# Altium PCB Coffee Machine.PcbDoc (continued)
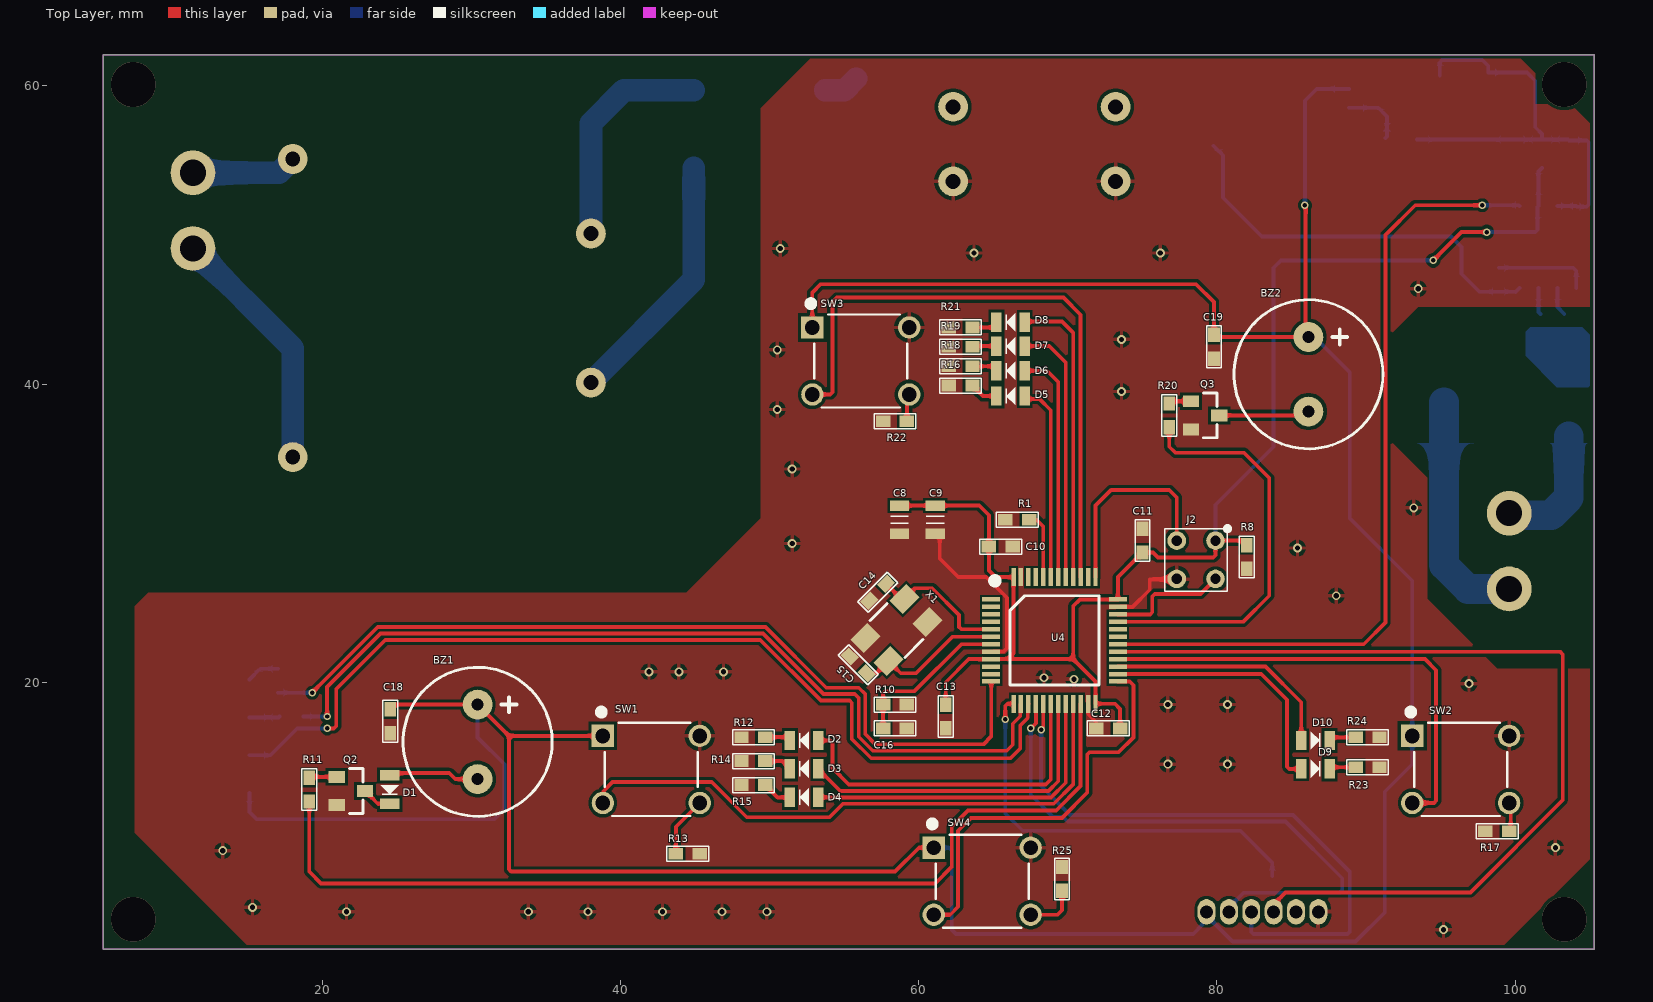
[diagram p0: Top Layer view]
## Part data (continued)
J3: library part 64800611622_conn_6pin, "1.50mm 6PIN Connector", Manufacturer="Wurth Electronics", Supplier Part Number 1=2138726, Designed by=FCE, Manufacturer Part Number=64800611622, Pricing 1="1000=0,29900, 2000=0,28200 (GBP)", RoHS=No, Stock 1=100, Supplier 1=RSComponents
J* J*1: "2~24 Poles, Pluggable, Receptacle, Horizontal, 5.08 Pitch, Terminal Block Connector", Color=Blue, Current=16A, Flammability Rating="UL94 V-0", Manufacturer="CUI Devices", Max Operating Temperature=105°C, Min Operating Temperature=-40°C, Supplier Part Number=102-6406-ND, Voltage=300V, Category="Terminal Blocks", ComponentLink1Description=https://datasheet.octopart.com/TBP01R1-508-02BE-CUI-Devices-datasheet-147843976.pdf?src-supplier=Future+Electronics, ComponentLink1URL=https://datasheet.octopart.com/TBP01R1-508-02BE-CUI-Devices-datasheet-147843976.pdf?src-supplier=Future+Electronics, ComponentLink2Description=https://www.cuidevices.com/product/resource/digikeypdf/tbp01r1-508.pdf?src-supplier=Digi-Key, ComponentLink2URL=https://www.cuidevices.com/product/resource/digikeypdf/tbp01r1-508.pdf?src-supplier=Digi-Key, ComponentLink3Description=https://datasheet.octopart.com/TBP01R1-508-02BE-CUI-Devices-datasheet-154730754.pdf?src-supplier=Electro+Sonic, ComponentLink3URL=https://datasheet.octopart.com/TBP01R1-508-02BE-CUI-Devices-datasheet-154730754.pdf?src-supplier=Electro+Sonic, Contact Material="Copper Alloy", Designed by=FCE, Housing Material=Nylon, Manufacturer Part Number=TBP01R1-508-02BE, Mounting Technology="Through Hole", Number of Levels=1, Number of Positions=2, Number of Positions Per Level=2, Pricing="1=0,48000, 10=0,25200, 25=0,17880, 50=0,15200, 100=0,14660, 250=0,12396, 500=0,11464, 1000=0,10131, 5000=0,07731 (USD)", RoHS=Yes, Series=TBP01R1-508, Stock=106825, Supplier=Digi-Key, Termination=Solder
Q1: "N-Channel Power MOSFET, SUPERFET® II, FAST, 600 V, 7.4 A, 600 mΩ, DPAK", Case/Package=DPAK, Continuous Drain Current (ID)=7.4A, Drain to Source Breakdown Voltage=650V, Drain to Source Resistance=600mR, Drain to Source Voltage (Vdss)=600V, Gate to Source Voltage (Vgs)=20V, Manufacturer="ON Semiconductor / Fairchild", Max Operating Temperature=150°C, Max Power Dissipation=89W, Min Operating Temperature=-55°C, Package Quantity=1, Supplier Part Number=FCD600N60ZCT-ND, Input Capacitance=1.12nF, ComponentLink1Description=https://datasheet.ciiva.com/30479/0900766b8119a3f0-30479945.pdf?src-supplier=Rs, ComponentLink1URL=https://datasheet.ciiva.com/30479/0900766b8119a3f0-30479945.pdf?src-supplier=Rs, ComponentLink2Description=https://datasheet.ciiva.com/6374/fcd600n60z-6374529.pdf?src-supplier=Digi-Key, ComponentLink2URL=https://datasheet.ciiva.com/6374/fcd600n60z-6374529.pdf?src-supplier=Digi-Key, ComponentLink3Description=https://datasheet.ciiva.com/13060/fcd600n60z-13060074.pdf?src-supplier=Mouser, ComponentLink3URL=https://datasheet.ciiva.com/13060/fcd600n60z-13060074.pdf?src-supplier=Mouser, ComponentLink4Description=https://datasheet.ciiva.com/6374/fcd600n60z-6374533.pdf?src-supplier=Digi-Key, ComponentLink4URL=https://datasheet.ciiva.com/6374/fcd600n60z-6374533.pdf?src-supplier=Digi-Key, ComponentLink5Description=https://datasheet.ciiva.com/48714/001263212-da-01-en-mosfet-n-ch-600v-fcd600n60z-to-252-3-fsc-48714892.pdf?src-supplier=Conrad, ComponentLink5URL=https://datasheet.ciiva.com/48714/001263212-da-01-en-mosfet-n-ch-600v-fcd600n60z-to-252-3-fsc-48714892.pdf?src-supplier=Conrad, Designed by=FCE, Element Configuration=Single, Fall Time=8ns, Height=2.39mm, Lead Free="Lead Free", Length=6.73mm, Manufacturer Part Number=FCD600N60Z, Mounting Technology="Surface Mount", Packaging="Tape and Reel", Pins=3, Polarity=N-CHANNEL, Power Dissipation=89W, Pricing="1=1,93000, 10=1,60500, 100=1,27760, 500=1,08106, 1000=0,91726 (USD)", Rds On Max=600mR, Rise Time=7ns, RoHS=Yes, RoHS Compliant=Yes, Series="SuperFET® II", Stock=16582, Supplier=Digi-Key, Turn-Off Delay Time=39ns, Turn-On Delay Time=13ns, Weight=0.26037g, Width=6.22mm
Q2 Q3: "Transistor General Purpose BJT NPN 40 Volt 0.2A Automotive 3-Pin SOT-23", Case/Package=SOT-23, Collector Base Voltage (VCBO)=60V, Collector Emitter Breakdown Voltage=40V, Collector Emitter Saturation Voltage=300mV, Continuous Collector Current=200mA, Emitter Base Voltage (VEBO)=6V, Frequency=300MHz, Manufacturer="Diodes Zetex", Max Operating Temperature=150°C, Max Power Dissipation=300mW, Min Operating Temperature=-55°C, Package Quantity=3000, Power Dissipation=350mW, Supplier Part Number 1=MMBT3904-FDIDKR-ND, Category=BJTs, Collector Emitter Voltage (VCEO)=40V, Collector-emitter Voltage-Max=300mV, ComponentLink1Description=https://datasheet.ciiva.com/11201/ds30036-11201778.pdf?src-supplier=Avnet, ComponentLink1URL=https://datasheet.ciiva.com/11201/ds30036-11201778.pdf?src-supplier=Avnet, ComponentLink2Description=https://datasheet.ciiva.com/15138/getdatasheetpartid-53265-15138780.pdf?src-supplier=Verical, ComponentLink2URL=https://datasheet.ciiva.com/15138/getdatasheetpartid-53265-15138780.pdf?src-supplier=Verical, ComponentLink3Description=https://datasheet.ciiva.com/6361/ds30036-6361254.pdf?src-supplier=Digi-Key, ComponentLink3URL=https://datasheet.ciiva.com/6361/ds30036-6361254.pdf?src-supplier=Digi-Key, ComponentLink4Description=https://datasheet.ciiva.com/22711/1915516-22711750.pdf?src-supplier=Element14, ComponentLink4URL=https://datasheet.ciiva.com/22711/1915516-22711750.pdf?src-supplier=Element14, ComponentLink5Description=https://datasheet.ciiva.com/11198/ds30036-11198999.pdf?src-supplier=Avnet, ComponentLink5URL=https://datasheet.ciiva.com/11198/ds30036-11198999.pdf?src-supplier=Avnet, ComponentLink6Description=https://datasheet.ciiva.com/6361/ds30036-6361256.pdf?src-supplier=Digi-Key, ComponentLink6URL=https://datasheet.ciiva.com/6361/ds30036-6361256.pdf?src-supplier=Digi-Key, Contact Plating=Tin,Matte, Designed by=FCE, Element Configuration=Single, Gain Bandwidth Product=300MHz, Height=1mm, hFE Min=100, Lead Free="Lead Free", Length=3.05mm, Manufacturer Part Number=MMBT3904-7-F, Max Breakdown Voltage=40V, Max Collector Current=200mA, Max Frequency=300MHz, Mount="Surface Mount", Number of Elements=1, Number of Pins=3, Packaging="Tape and Reel", Polarity=NPN, Pricing 1="1=0,12000, 10=0,08600, 25=0,08280, 100=0,04660, 500=0,03664, 1000=0,02544 (USD)", Radiation Hardening=No, REACH SVHC="No SVHC", RoHS=Yes, RoHS Compliant=Yes, Series=-, Stock 1=2393281, Supplier 1=Digi-Key, Transition Frequency=300MHz, Voltage Rating (DC)=40V, Weight=0.000282oz, Width=1.4mm
R1 R10 R11 R20: library part "RES 100 OHM 0603", "RES 100 %5 OHM 0603 SMD", Case Code (Metric)=1608, Case Code (Imperial)=0603, Manufacturer=Yageo, Max Operating Temperature=155°C, Max Power Dissipation=100mW, Min Operating Temperature=-55°C, Resistance=100R, Resistance Tolerance=5%, Resistor Type="Thick Film", Supplier Part Number 1=311-100GRCT-ND, Temperature Coefficient=100ppm/°C, Voltage Rating=50V, Case/Package=0603, Category="Chip SMD Resistors", ComponentLink1Description=https://datasheet.ciiva.com/15189/getdatasheetpartid-325207-15189846.pdf?src-supplier=Verical, ComponentLink1URL=https://datasheet.ciiva.com/15189/getdatasheetpartid-325207-15189846.pdf?src-supplier=Verical, ComponentLink2Description=https://datasheet.ciiva.com/8883/pyu-rc0603-51-rohs-l-4-8883047.pdf?src-supplier=Avnet, ComponentLink2URL=https://datasheet.ciiva.com/8883/pyu-rc0603-51-rohs-l-4-8883047.pdf?src-supplier=Avnet, ComponentLink3Description=https://datasheet.ciiva.com/7746/443971-7746425.pdf?src-supplier=Element14, ComponentLink3URL=https://datasheet.ciiva.com/7746/443971-7746425.pdf?src-supplier=Element14, ComponentLink4Description=https://datasheet.ciiva.com/7746/443971-7746426.pdf?src-supplier=Element14, ComponentLink4URL=https://datasheet.ciiva.com/7746/443971-7746426.pdf?src-supplier=Element14, Construction=Rectangular, Contact Plating=Tin,Matte, Depth=0.8mm, Designed by=FCE, Features="Moisture Resistant", Lead Free="Lead Free", Length=1.6mm, Manufacturer Part Number=RC0603JR-07100RL, Military Standard=Not, Number of Pins=2, Number of Terminations=2, Packaging="Tape and Reel", Power Rating=100mW, Pricing 1="1=0,10000, 10=0,01900, 100=0,00770, 1000=0,00344, 2500=0,00298 (USD)", Radiation Hardening=No, REACH SVHC=Unknown, RoHS=Yes, RoHS Compliant=Yes, Series=RC, Size Code=0603, Stock 1=4334796, Supplier 1=Digi-Key, Termination=SMD/SMT, Tolerance=5%, Voltage Rating (DC)=50V, Width=0.8mm
R2: library part "RES 10 OHM 0603", "SMD Chip Resistor, 10 Ohm, ± 1%, 100 mW, 0603 [1608 Metric], Thick Film, General Purpose", Case Code (Metric)=1608, Case Code (Imperial)=0603, Manufacturer=Yageo, Max Operating Temperature=155°C, Max Power Dissipation=100mW, Min Operating Temperature=-55°C, Resistance Tolerance=1%, Resistor Type="Thick Film", Supplier Part Number=311-10.0HRCT-ND, Temperature Coefficient=200ppm/°C, Voltage Rating=50V, Case/Package=0603, Category="Chip SMD Resistors", ComponentLink1Description=https://datasheet.ciiva.com/11808/0900766b80f96399-11808140.pdf?src-supplier=Rs, ComponentLink1URL=https://datasheet.ciiva.com/11808/0900766b80f96399-11808140.pdf?src-supplier=Rs, ComponentLink2Description=https://datasheet.ciiva.com/7746/443971-7746245.pdf?src-supplier=Element14, ComponentLink2URL=https://datasheet.ciiva.com/7746/443971-7746245.pdf?src-supplier=Element14, ComponentLink3Description=https://datasheet.ciiva.com/8891/pyu-rc0603-51-rohs-l-4-8891285.pdf?src-supplier=Avnet, ComponentLink3URL=https://datasheet.ciiva.com/8891/pyu-rc0603-51-rohs-l-4-8891285.pdf?src-supplier=Avnet, Construction=Rectangular, Contact Plating=Tin,Matte, Depth=0.8mm, Designed by=FCE, Features="Moisture Resistant", Height=0.45mm, Lead Free="Lead Free", Length=1.6mm, Manufacturer Part Number=RC0603FR-0710RL, Military Standard=Not, Number of Terminations=2, Packaging="Tape and Reel", Pins=2, Power Rating=100mW, Pricing="1=0,10000, 10=0,02900, 50=0,01880, 100=0,01580, 500=0,01094, 1000=0,00947 (USD)", Reach SVHC Compliant=No, RoHS=Yes, RoHS Compliant=Yes, Series=RC, Stock=1221718, Supplier=Digi-Key, Technology="THICK FILM", Termination=SMD/SMT, Tolerance=1%, Voltage Rating (AC)=50V, Voltage Rating (DC)=50V, Width=0.8mm
R3: library part "RES 3.3 OHM 0603", "Res Thick Film 0603 3.3 Ohm 5% 1/10W +/-200ppm/ßC Molded SMD Paper T/R", Case Code (Metric)=1608, Case Code (Imperial)=0603, Manufacturer=Yageo, Max Operating Temperature=155°C, Max Power Dissipation=100mW, Min Operating Temperature=-55°C, Resistance Tolerance=5%, Resistor Type="Thick Film", Supplier Part Number=311-3.3GRCT-ND, Temperature Coefficient=200ppm/°C, Voltage Rating=50V, Case/Package=0603, Category="Chip SMD Resistors", ComponentLink1Description=http://www.mouser.com/ds/2/447/RC0603-272842.pdf?src-supplier=Mouser, ComponentLink1URL=http://www.mouser.com/ds/2/447/RC0603-272842.pdf?src-supplier=Mouser, ComponentLink2Description=https://www.verical.com/server-webapp/html/getDatasheet?partID=687544&src-supplier=Verical, ComponentLink2URL=https://www.verical.com/server-webapp/html/getDatasheet?partID=687544&src-supplier=Verical, ComponentLink3Description=http://www.farnell.com/datasheets/1868787.pdf?src-supplier=Farnell, ComponentLink3URL=http://www.farnell.com/datasheets/1868787.pdf?src-supplier=Farnell, ComponentLink4Description=http://www.yageo.com/documents/recent/PYu-RC_Group_51_RoHS_L_10.pdf?src-supplier=Digi-Key, ComponentLink4URL=http://www.yageo.com/documents/recent/PYu-RC_Group_51_RoHS_L_10.pdf?src-supplier=Digi-Key, ComponentLink5Description=http://www.yageo.com/documents/recent/PYu-RC_Group_51_RoHS_L_9.pdf?src-supplier=Digi-Key, ComponentLink5URL=http://www.yageo.com/documents/recent/PYu-RC_Group_51_RoHS_L_9.pdf?src-supplier=Digi-Key, ComponentLink6Description=https://datasheet.octopart.com/RC0603JR-073R3L-Yageo-datasheet-34211833.pdf?src-supplier=Element14, ComponentLink6URL=https://datasheet.octopart.com/RC0603JR-073R3L-Yageo-datasheet-34211833.pdf?src-supplier=Element14, ComponentLink7Description=https://datasheet.octopart.com/RC0603JR-073R3L-Yageo-datasheet-164759695.pdf?src-supplier=Future+Electronics, ComponentLink7URL=https://datasheet.octopart.com/RC0603JR-073R3L-Yageo-datasheet-164759695.pdf?src-supplier=Future+Electronics, ComponentLink8Description=http://www.yageo.com/documents/recent/PYu-RC0603_51_RoHS_L_7.pdf?src-supplier=Future+Electronics, ComponentLink8URL=http://www.yageo.com/documents/recent/PYu-RC0603_51_RoHS_L_7.pdf?src-supplier=Future+Electronics, Designed by=FCE, Features="Moisture Resistant", Lead Free="Lead Free", Manufacturer Part Number=RC0603JR-073R3L, Number of Terminations=2, Packaging="Tape and Reel", Pins=2, Power Rating=100mW, Pricing="1=0,10000, 10=0,02600, 50=0,01620, 100=0,01370, 500=0,00942, 1000=0,00813 (USD)", Reach SVHC Compliant=No, RoHS=Yes, RoHS Compliant=Yes, Series=RC, Stock=191546, Supplier=Digi-Key, Termination=SMD/SMT, Tolerance=5%, Voltage Rating (DC)=50V
R4: library part "RES 500K OHM 0603", "Res Thick Film 1206 500K Ohm 1% 0.3W ±100ppm/C Pad SMD Automotive T/R", Case Code (Metric)=3216, Case Code (Imperial)=1206, Manufacturer="Vishay BCcomponents", Max Operating Temperature=155°C, Max Power Dissipation=300mW, Min Operating Temperature=-55°C, Supplier Part Number=3579-CRMA1206AF500KFKEFCT-ND, Temperature Coefficient=100ppm/°C, Tolerance=1%, Voltage Rating=1kV, Case/Package=1206, Category="Chip SMD Resistors", ComponentLink1Description=https://www.vishay.com/docs/68043/crma.pdf?src-supplier=Digi-Key, ComponentLink1URL=https://www.vishay.com/docs/68043/crma.pdf?src-supplier=Digi-Key, Designed by=FCE, Features="Automotive AEC-Q200", Height=740um, Manufacturer Part Number=CRMA1206AF500KFKEF, Number of Terminations=2, Packaging="Cut Tape", Power Rating=300mW, Pricing="1=0,66000, 10=0,37900, 50=0,27220, 100=0,23880, 500=0,18306, 1000=0,16540 (USD)", RoHS=No, Series=CRMA, Stock=15305, Supplier=Digi-Key
R5: library part "RES 100K OHM 0603", "SMD Chip Resistor, 100 kOhm, ± 5%, 100 mW, 0603 [1608 Metric], Thick Film, General Purpose", Case Code (Metric)=1608, Case Code (Imperial)=0603, Manufacturer=Yageo, Max Operating Temperature=155°C, Max Power Dissipation=100mW, Min Operating Temperature=-55°C, Resistance Tolerance=5%, Resistor Type="Thick Film", Supplier Part Number=311-100KGRCT-ND, Temperature Coefficient=100ppm/°C, Voltage Rating=50V, Case/Package=0603, Category="Chip SMD Resistors", ComponentLink1Description=https://datasheet.ciiva.com/7983/443971-7983686.pdf?src-supplier=Element14, ComponentLink1URL=https://datasheet.ciiva.com/7983/443971-7983686.pdf?src-supplier=Element14, ComponentLink2Description=https://datasheet.ciiva.com/7746/443971-7746424.pdf?src-supplier=Element14, ComponentLink2URL=https://datasheet.ciiva.com/7746/443971-7746424.pdf?src-supplier=Element14, ComponentLink3Description=https://datasheet.ciiva.com/8887/pyu-rc0603-51-rohs-l-4-8887903.pdf?src-supplier=Avnet, ComponentLink3URL=https://datasheet.ciiva.com/8887/pyu-rc0603-51-rohs-l-4-8887903.pdf?src-supplier=Avnet, ComponentLink4Description=https://datasheet.ciiva.com/7746/443971-7746423.pdf?src-supplier=Element14, ComponentLink4URL=https://datasheet.ciiva.com/7746/443971-7746423.pdf?src-supplier=Element14, Contact Plating=Tin,Matte, Designed by=FCE, Features="Moisture Resistant", Lead Free="Lead Free", Manufacturer Part Number=RC0603JR-07100KL, Number of Terminations=2, Packaging="Tape and Reel", Pins=2, Power Rating=100mW, Pricing="1=0,10000, 10=0,01500, 50=0,00920, 100=0,00760, 500=0,00512, 1000=0,00437 (USD)", Reach SVHC Compliant=No, RoHS=Yes, RoHS Compliant=Yes, Series=RC, Stock=3037187, Supplier=Digi-Key, Termination=SMD/SMT, Tolerance=5%, Voltage Rating (AC)=50V, Voltage Rating (DC)=50V, Width=0.8mm
R6 R8 R13 R17 R22 R25: library part "RES 10K OHM 0603", "RES 10K %1 OHM 0603 SMD", Case Code (Metric)=1608, Case Code (Imperial)=0603, Manufacturer=Yageo, Max Operating Temperature=155°C, Max Power Dissipation=100mW, Min Operating Temperature=-55°C, Resistance=10kR, Resistance Tolerance=1%, Resistor Type="Thick Film", Supplier Part Number 1=311-10.0KHRCT-ND, Temperature Coefficient=100ppm/°C, Voltage Rating=75V, Voltage Rating (DC)=50V, Case/Package=0603, Category="Chip SMD Resistors", ComponentLink1Description=https://datasheet.ciiva.com/7660/38590-7660789.pdf?src-supplier=Element14, ComponentLink1URL=https://datasheet.ciiva.com/7660/38590-7660789.pdf?src-supplier=Element14, ComponentLink2Description=https://datasheet.ciiva.com/15189/getdatasheetpartid-409289-15189591.pdf?src-supplier=Verical, ComponentLink2URL=https://datasheet.ciiva.com/15189/getdatasheetpartid-409289-15189591.pdf?src-supplier=Verical, ComponentLink3Description=https://datasheet.ciiva.com/46440/1868787-46440891.pdf?src-supplier=Element14, ComponentLink3URL=https://datasheet.ciiva.com/46440/1868787-46440891.pdf?src-supplier=Element14, ComponentLink4Description=https://datasheet.ciiva.com/7983/443971-7983596.pdf?src-supplier=Element14, ComponentLink4URL=https://datasheet.ciiva.com/7983/443971-7983596.pdf?src-supplier=Element14, ComponentLink5Description=https://datasheet.ciiva.com/7746/1738695-7746239.pdf?src-supplier=Element14, ComponentLink5URL=https://datasheet.ciiva.com/7746/1738695-7746239.pdf?src-supplier=Element14, ComponentLink6Description=https://datasheet.ciiva.com/22747/443971-22747519.pdf?src-supplier=Element14, ComponentLink6URL=https://datasheet.ciiva.com/22747/443971-22747519.pdf?src-supplier=Element14, Construction=Rectangular, Depth=0.8mm, Designed by=FCE, Features="Moisture Resistant", Height=0.45mm, Lead Free="Lead Free", Lead Pitch=0.3mm, Length=1.6mm, Manufacturer Part Number=RC0603FR-0710KL, Military Standard=Not, Number of Pins=2, Number of Terminations=2, Packaging="Tape and Reel", Power Rating=100mW, Pricing 1="1=0,10000, 10=0,02300, 100=0,00930, 1000=0,00417, 2500=0,00362 (USD)", REACH SVHC=Unknown, RoHS=Yes, RoHS Compliant=Yes, Series=RC, Size Code=0603, Stock 1=24140601, Supplier 1=Digi-Key, Termination=SMD/SMT, Tolerance=1%, Weight=7.1E-05oz, Width=0.8mm
R7 R9: library part "RES 0 OHM 0603", "RES 0 %1 OHM 0603 SMD", Case Code (Metric)=1608, Case Code (Imperial)=0603, Manufacturer=Yageo, Max Operating Temperature=155°C, Max Power Dissipation=100mW, Min Operating Temperature=-55°C, Package Quantity=5000, Resistance=0R, Resistance Tolerance=5%, Resistor Type="Thick Film", Supplier Part Number 1=311-0.0GRCT-ND, Temperature Coefficient=200ppm/°C, Tolerance=1%, Voltage Rating=50V, Case/Package=0603, Category="Chip SMD Resistors", ComponentLink1Description=https://datasheet.ciiva.com/11808/pyu-r-int-6-11808700.pdf?src-supplier=RSComponents, ComponentLink1URL=https://datasheet.ciiva.com/11808/pyu-r-int-6-11808700.pdf?src-supplier=RSComponents, ComponentLink2Description=https://datasheet.ciiva.com/7746/1738695-7746421.pdf?src-supplier=Element14, ComponentLink2URL=https://datasheet.ciiva.com/7746/1738695-7746421.pdf?src-supplier=Element14, ComponentLink3Description=https://datasheet.ciiva.com/8883/pyu-rc0603-51-rohs-l-4-8883045.pdf?src-supplier=Avnet, ComponentLink3URL=https://datasheet.ciiva.com/8883/pyu-rc0603-51-rohs-l-4-8883045.pdf?src-supplier=Avnet, ComponentLink4Description=https://datasheet.ciiva.com/15189/getdatasheetpartid-329462-15189845.pdf?src-supplier=Verical, ComponentLink4URL=https://datasheet.ciiva.com/15189/getdatasheetpartid-329462-15189845.pdf?src-supplier=Verical, ComponentLink5Description=https://datasheet.ciiva.com/7746/1738695-7746422.pdf?src-supplier=Element14, ComponentLink5URL=https://datasheet.ciiva.com/7746/1738695-7746422.pdf?src-supplier=Element14, ComponentLink6Description=https://datasheet.ciiva.com/12555/rc0603-272842-12555254.pdf?src-supplier=Mouser, ComponentLink6URL=https://datasheet.ciiva.com/12555/rc0603-272842-12555254.pdf?src-supplier=Mouser, ComponentLink7Description=https://datasheet.ciiva.com/22747/443971-22747530.pdf?src-supplier=Element14, ComponentLink7URL=https://datasheet.ciiva.com/22747/443971-22747530.pdf?src-supplier=Element14, Construction=Rectangular, Contact Plating=Tin,Matte, Depth=0.8mm, Designed by=FCE, Features="Moisture Resistant", Height=0.45mm, Lead Free="Lead Free", Length=1.6mm, Manufacturer Part Number=RC0603JR-070RL, Military Standard=Not, Number of Pins=2, Number of Terminations=2, Packaging="Tape and Reel", Power Rating=100mW, Pricing 1="1=0,10000, 10=0,01700, 25=0,01240, 50=0,00940, 100=0,00700, 250=0,00532, 500=0,00424, 1000=0,00313 (USD)", Radiation Hardening=No, REACH SVHC="No SVHC", RoHS=Yes, RoHS Compliant=Yes, Series=RC, Size Code=0603, Stock 1=4657486, Supplier 1=Digi-Key, Technology="THICK FILM", Termination=SMD/SMT, Voltage Rating (DC)=50V, Width=0.8mm
R12 R14 R15 R16 R18 R19 R21 R23 R24: library part "RES 330 OHM 0603", "SMD Chip Resistor, 330 Ohm, ± 5%, 100 mW, 0603 [1608 Metric], Thick Film, General Purpose", Case Code (Metric)=1608, Case Code (Imperial)=0603, Manufacturer=Yageo, Max Operating Temperature=155°C, Max Power Dissipation=100mW, Min Operating Temperature=-55°C, Package Quantity=5000, Resistance Tolerance=5%, Resistor Type="Thick Film", Supplier Part Number=311-330GRCT-ND, Temperature Coefficient=100ppm/°C, Voltage Rating=50V, Case/Package=0603, Category="Chip SMD Resistors", ComponentLink1Description=https://datasheet.ciiva.com/46395/443971-46395145.pdf?src-supplier=Element14, ComponentLink1URL=https://datasheet.ciiva.com/46395/443971-46395145.pdf?src-supplier=Element14, ComponentLink2Description=https://datasheet.ciiva.com/12558/rc0603-272842-12558685.pdf?src-supplier=Mouser, ComponentLink2URL=https://datasheet.ciiva.com/12558/rc0603-272842-12558685.pdf?src-supplier=Mouser, ComponentLink3Description=https://datasheet.ciiva.com/7746/1868787-7746487.pdf?src-supplier=Element14, ComponentLink3URL=https://datasheet.ciiva.com/7746/1868787-7746487.pdf?src-supplier=Element14, ComponentLink4Description=https://datasheet.ciiva.com/7746/443971-7746488.pdf?src-supplier=Element14, ComponentLink4URL=https://datasheet.ciiva.com/7746/443971-7746488.pdf?src-supplier=Element14, ComponentLink5Description=https://datasheet.ciiva.com/15189/getdatasheetpartid-342831-15189868.pdf?src-supplier=Verical, ComponentLink5URL=https://datasheet.ciiva.com/15189/getdatasheetpartid-342831-15189868.pdf?src-supplier=Verical, Construction=Rectangular, Depth=0.8mm, Designed by=FCE, Features="Moisture Resistant", Height=0.45mm, Lead Free="Lead Free", Length=1.6mm, Manufacturer Part Number=RC0603JR-07330RL, Military Standard=Not, Number of Terminations=2, Packaging="Tape and Reel", Pins=2, Power Rating=100mW, Pricing="1=0,10000, 10=0,01500, 50=0,00940, 100=0,00770, 500=0,00516, 1000=0,00441 (USD)", Reach SVHC Compliant=No, RoHS=Yes, RoHS Compliant=Yes, Series=RC, Stock=3473788, Supplier=Digi-Key, Termination=SMD/SMT, Tolerance=5%, Voltage Rating (DC)=50V, Width=0.8mm
SW1 SW2 SW3 SW4: "Switch Tactile OFF (ON) SPST Round Button PC Pins 0.05A 24VDC 100000Cycle 1.56N Thru-Hole", Manufacturer="TE Connectivity", Max Operating Temperature=85°C, Min Operating Temperature=-35°C, Operating Force=160gf, Supplier Part Number=450-1653-ND, Actuator Material=PBT,Polybutylene, Actuator Type=Standard, Category="Pushbutton Switches", ComponentLink1Description=https://www.te.com/commerce/DocumentDelivery/DDEController?Action=srchrtrv&amp;DocNm=1825910&amp;DocType=Customer+Drawing&amp;DocLang=English&src-supplier=Digi-Key, ComponentLink1URL=https://www.te.com/commerce/DocumentDelivery/DDEController?Action=srchrtrv&amp;DocNm=1825910&amp;DocType=Customer+Drawing&amp;DocLang=English&src-supplier=Digi-Key, ComponentLink2Description=https://datasheet.octopart.com/FSM8JH-Tyco-Electronics-datasheet-13549077.pdf?src-supplier=Farnell, ComponentLink2URL=https://datasheet.octopart.com/FSM8JH-Tyco-Electronics-datasheet-13549077.pdf?src-supplier=Farnell, ComponentLink3Description=https://datasheet.octopart.com/1-1825910-4-TE-Connectivity-datasheet-33021037.pdf?src-supplier=Future+Electronics, ComponentLink3URL=https://datasheet.octopart.com/1-1825910-4-TE-Connectivity-datasheet-33021037.pdf?src-supplier=Future+Electronics, ComponentLink4Description=https://datasheet.octopart.com/FSM8JH-TE-Connectivity---Alcoswitch-datasheet-159572710.pdf?src-supplier=Jameco, ComponentLink4URL=https://datasheet.octopart.com/FSM8JH-TE-Connectivity---Alcoswitch-datasheet-159572710.pdf?src-supplier=Jameco, ComponentLink5Description=https://datasheet.octopart.com/FSM8JH-Alcoswitch-datasheet-44414615.pdf?src-supplier=Master+Electronics, ComponentLink5URL=https://datasheet.octopart.com/FSM8JH-Alcoswitch-datasheet-44414615.pdf?src-supplier=Master+Electronics, ComponentLink6Description=https://datasheet.octopart.com/1-1825910-4-TE-Connectivity-datasheet-140613482.pdf?src-supplier=TME, ComponentLink6URL=https://datasheet.octopart.com/1-1825910-4-TE-Connectivity-datasheet-140613482.pdf?src-supplier=TME, ComponentLink7Description=https://datasheet.octopart.com/FSM8JH-TE-Connectivity---Alcoswitch-datasheet-41181131.pdf?src-supplier=Electro+Sonic, ComponentLink7URL=https://datasheet.octopart.com/FSM8JH-TE-Connectivity---Alcoswitch-datasheet-41181131.pdf?src-supplier=Electro+Sonic, Copyright="Copyright (C) 2023 Ultra Librarian. All rights reserved.", Designed by=FCE, Manufacturer Part Number=1-1825910-4, Manufacturer_Part_Number=1-1825910-4, Mechanical Life=100000Cycles, Mfr_Name="TE Connectivity", Mounting Technology="Through Hole", Packaging=Bulk, Pricing="1=0,16000, 10=0,15100, 25=0,14280, 100=0,12990, 250=0,12208, 500=0,11170, 1000=0,09352, 2500=0,09092, 5000=0,08572 (USD)", RefDes=RefDes, RoHS=Yes, RoHS Compliant=Yes, Series=FSMJ, Stock=33482, Supplier=Digi-Key, Switch Function=Off-Mom, Switch Travel=0.25mm, Termination="PC Pin", Throw Configuration=SPST, Type=DEV, Illumination Type=Non-Illuminated
T1: "230-12 Transformer 1VA", Manufacturer="Zettler Magnetics", Operating Frequency=50-60Hz, Primary Voltage=230V, Rated Power=1VA, Secondary Voltage=12V, Supplier Part Number 1=2469-BV302S12010-ZU-ND, Designed by=FCE, Manufacturer Part Number=BV302S12010-ZU, RoHS=No, Supplier 1=Digi-Key
U1: "IGBT & MOSFET Gate Driver 5.5A 1-OUT Hi Side Non-Inv/Inv 8-Pin DSO T/R", Manufacturer=Infineon, Supplier Part Number=726-D3120MC12HXUMA1, Designed by=FCE, Manufacturer Part Number=1ED3120MC12HXUMA1, Pricing="1=3,34000, 10=2,65000, 50=2,65000, 100=2,46000, 1000=2,10000, 10000=1,37000 (USD)", RoHS=No, Stock=9771, Supplier=Mouser
U2: "Adjustable- and fixed-output, 1-A, 16-V, positive-voltage low-dropout (LDO) linear regulator 8-HVSSOP -40 to 125", Manufacturer="Texas Instruments", Supplier Part Number=595-TLV76701DGNR, Category="Integrated Circuits (ICs)", Designed by=FCE, Manufacturer Part Number=TLV76701DGNR, Pricing="1=0,88000, 10=0,74400, 50=0,74400, 100=0,57200, 1000=0,40700, 10000=0,33900 (USD)", RoHS=No, RoHS Compliant=Yes, Stock=3628, Supplier=Mouser
U3: "LDO Regulator Pos 3.3V 1A 4-Pin(3+Tab) SOT-223 T/R", Case/Package=SOT-223, Dropout Voltage=500mV, Manufacturer=Diodes, Max Operating Temperature=85°C, Max Output Current=1A, Max Power Dissipation=1.1W, Max Input Voltage=6V, Min Current Limit=1.1A, Min Operating Temperature=-40°C, Min Input Voltage=2.2V, Output Voltage=3.3V, Package Quantity=1, Power Dissipation=1.1kW, Power Supply Rejection Ratio (PSRR)=65dB, Quiescent Current=70uA, Reference Voltage=800mV, Supplier Part Number 1=AP7361-33E-13DICT-ND, Accuracy=1%, Category="Voltage Regulators - Linear", ComponentLink1Description=https://datasheet.ciiva.com/26926/getdatasheetpartid-670786-26926141.pdf?src-supplier=Verical, ComponentLink1URL=https://datasheet.ciiva.com/26926/getdatasheetpartid-670786-26926141.pdf?src-supplier=Verical, ComponentLink2Description=https://datasheet.ciiva.com/25651/ap7361-25651049.pdf?src-supplier=Digi-Key, ComponentLink2URL=https://datasheet.ciiva.com/25651/ap7361-25651049.pdf?src-supplier=Digi-Key, ComponentLink3Description=https://datasheet.ciiva.com/29568/ap7361-29568378.pdf?src-supplier=Digi-Key, ComponentLink3URL=https://datasheet.ciiva.com/29568/ap7361-29568378.pdf?src-supplier=Digi-Key, ComponentLink4Description=https://datasheet.ciiva.com/29568/ap7361-29568379.pdf?src-supplier=Digi-Key, ComponentLink4URL=https://datasheet.ciiva.com/29568/ap7361-29568379.pdf?src-supplier=Digi-Key, Contact Plating=Tin,Matte, Designed by=FCE, Lead Free="Lead Free", Manufacturer Part Number=AP7361-33E-13, Mount="Surface Mount", Number of Outputs=1, Number of Pins=4, Number of Regulators=1, Output Current=1A, Output Type=Fixed, Packaging="Tape and Reel", Polarity=Positive, Pricing 1="1=0,51000, 10=0,41400, 25=0,37840, 100=0,25510, 250=0,21116, 500=0,19356, 1000=0,14517 (USD)", Radiation Hardening=No, REACH SVHC="No SVHC", RoHS=Yes, RoHS Compliant=Yes, Series=-, Stock 1=45122, Supplier 1=Digi-Key, Weight=0.000282oz
U4: "MCU 32-bit STM32F ARM Cortex M3 RISC 32KB Flash 2.5V/3.3V 48-Pin LQFP Tray", Case/Package=LQFP, Frequency=72MHz, Manufacturer=STMicroelectronics, Max Operating Temperature=85°C, Max Power Dissipation=363mW, Max Supply Voltage=3.6V, Min Operating Temperature=-40°C, Min Supply Voltage=2V, Package Quantity=1500, Supplier Part Number 1=497-11515-ND, Address Bus Width=32b, Category=Microcontrollers, ComponentLink1Description=https://datasheet.ciiva.com/15122/getdatasheetpartid-69879-15122075.pdf?src-supplier=Verical, ComponentLink1URL=https://datasheet.ciiva.com/15122/getdatasheetpartid-69879-15122075.pdf?src-supplier=Verical, ComponentLink2Description=https://datasheet.ciiva.com/14100/pustm-arm-microcont-stm32f103-en-14100507.pdf?src-supplier=Distrelec, ComponentLink2URL=https://datasheet.ciiva.com/14100/pustm-arm-microcont-stm32f103-en-14100507.pdf?src-supplier=Distrelec, Core Architecture=ARM, Data Bus Width=32b, Designed by=FCE, Height=1.4mm, Lead Free="Lead Free", Length=7mm, Manufacturer Part Number=STM32F103C6T6A, Max Frequency=72MHz, Memory Size=32KB, Memory Type=FLASH, Number of ADC Channels=10, Number of Pins=48, Number of Programmable I/O=37, Number of SPI Channels=1, Number of Timers/Counters=3, Number of I2C Channels=1, Number of I/Os=37, Oscillator Type=Internal, Packaging=Tray, Peripherals="POR,PWM,WDT,DMA,Temp Sensor,I2C", Pricing 1="1=5,07000, 10=4,55000, 25=4,30120, 80=3,72763, 250=3,53648, 500=3,18600 (USD)", Pricing 2="250=1,99138, 260=1,95951, 510=1,91172, 1300=1,87986, 2500=1,84800, 13000=1,81613, 25000=1,78427 (USD)", Radiation Hardening=No, RAM Size=10KB, REACH SVHC="No SVHC", RoHS=Yes, RoHS Compliant=Yes, Series=STM32F103C6, SleepMode=OK, Stock 1=30, Stock 2=2360, Supplier 1=Digi-Key, Supplier 2=Avnet, Supplier Part Number 2=STM32F103C6T6A, Watchdog Timer=Yes, Weight=0.006409oz, Width=7mm, Interface=I2C,SPI,USART
X1: library part "CRYSTAL 16MHz", "CRYSTAL 16.0000MHZ 20PF SMD", Case/Package=SMD/SMT, ESR (Equivalent Series Resistance)=50R, Frequency=16MHz, Frequency Stability=50ppm, Frequency Tolerance=30ppm, Load Capacitance=20pF, Manufacturer="ECS International", Max Operating Temperature=70°C, Min Operating Temperature=-20°C, Package Quantity=1, Supplier Part Number 1=XC1120CT-ND, Category=Crystals, ComponentLink1Description=https://datasheet.ciiva.com/853/ecx-53b-853408.pdf?src-supplier=Digi-Key, ComponentLink1URL=https://datasheet.ciiva.com/853/ecx-53b-853408.pdf?src-supplier=Digi-Key, ComponentLink2Description=https://datasheet.ciiva.com/853/ecx-53b-853406.pdf?src-supplier=Digi-Key, ComponentLink2URL=https://datasheet.ciiva.com/853/ecx-53b-853406.pdf?src-supplier=Digi-Key, ComponentLink3Description=https://datasheet.ciiva.com/853/ecx-53b-853407.pdf?src-supplier=Digi-Key, ComponentLink3URL=https://datasheet.ciiva.com/853/ecx-53b-853407.pdf?src-supplier=Digi-Key, Designed by=FCE, Height=0.033inch, Lead Free="Lead Free", Length=0.197inch, Manufacturer Part Number=ECS-160-20-30B-TR, Mount="Surface Mount", Packaging="Tape and Reel", Pricing 1="1=1,33000, 10=1,26800, 50=1,23900, 100=1,06200, 500=1,03250 (USD)", RoHS=Yes, RoHS Compliant=Yes, Series=ECX-53B, Stock 1=15303, Supplier 1=Digi-Key, Termination=SMD/SMT, Tolerance=50ppm, Width=0.126inch

## Via types
v1: diameter 0.6, hole 0.35, Top Layer to Bottom Layer, tented both sides, 33 vias
v2: diameter 0.5, hole 0.3, Top Layer to Bottom Layer, tented both sides, 10 vias
v3: diameter 3, hole 3, Top Layer to Bottom Layer, 4 vias

## Nets (pads, with @x,y where several pads share a name; then routed paths per layer and width w, separated by ;. In a path a pad name is that pad's centre, name@x,y a point inside that pad or via, vN(x,y) a via of type N, cw(c..) or ccw(c..) an arc to the next point about the centre after c; other vN are vias at no path point)
3V3DC: C6.2 C7.2 C8.2 C9.2 C10.2 C11.2 C12.2 C13.2 J2.1 R8.2 U1.2 U3.3 U4.9 U4.24 U4.36 U4.48 | length 96.7
  Top Layer w0.254: C8.2 C9.2 64.05,31.85 64.7,31.2 C10.2 64.7,27.5 65.15,27.05 U4.48 66.35,21.95 65.95,21.55 ; C13.2 61.8,20 63.35,21.55 U4.9 65.95,21.55 ; C12.2 73.5,18.2 73.15,18.55 U4.24 71.85,20.05 70.35,21.55 ; R8.2 81.7,29.5 J2.1 79.9,28.517 79.751,28.368 76.032,28.368 75.7,28.7 C11.2 73.35,27.05 U4.36 70.8,25.55 70.35,25.1 70.35,21.55 ; v2(94.5,48.3) 96.4,50.2 v2(98.1,50.2) ; 65.95,21.55 70.35,21.55
  Bottom Layer w0.254: J2.1 79.9,31.9 83.8,35.8 83.8,47.8 84.3,48.3 v2(94.5,48.3) ; v2(98.1,50.2) 101.351,50.2 101.5,50.349 101.5,51.885 U1.2 101.565,54.265 C6.2
5VDC: BZ1.1 BZ2.1 C4.2 C5.2 C18.2 C19.2 J1.1 J3.1 R4.1 SW1.1 SW2.1 SW3.1 SW4.1 U2.1 U3.1 | length 218
  Top Layer w0.254: C18.2 24.855,18.5 BZ1.1 32.5,16.4 ; SW1.1 32.5,16.4 ; SW3.1 52.854,46.154 53.4,46.7 78.6,46.7 79.8,45.5 C19.2 79.942,43.158 BZ2.1 85.947,43.346 85.947,51.953 v2(85.9,52) ; SW4.1 60,8.9 58.4,7.3 32.649,7.3 32.5,7.449 32.5,16.4
  Bottom Layer w0.254: J1.1 15.1,11.3 15.6,10.8 31.5,10.8 32.2,11.5 32.2,14.5 30.4,16.3 BZ1.1 ; SW4.1 62.051,8.9 62.2,8.751 62.2,3.4 62.495,3.105 78.405,3.105 79.035,3.735 J3.1@79.035,3.829 ; J3.1 79.3,4.35 81.05,2.6 89.3,2.6 91.25,4.55 91.25,12.65 93.1,14.5 SW2.1 93.1,26.811 88.9,31.011 88.9,40.8 86.542,43.158 BZ2.1 ; v2(85.9,52) 85.9,59.01 86.695,59.805 U2.1
12VDC: C1.2 C2.1 C3.1 F1.2 U1.8 U2.5 U2.8 | length 27.4
  Bottom Layer w0.254: U2.5 80.4,55.348 80.4,52.5 83,49.9 95.7,49.9 96.4,49.2 96.4,47.4 97.6,46.2 C1.2 100.01,46.2 100.027,46.182 U1.8
AC_LINE_1: J*.1 T1.1 | length 16.8
  Bottom Layer w1.524: J*.1 18,42.4 T1.1
AC_LINE_1_IN: J*1.2 Q1.2 | length 16
  Bottom Layer w2: Q1.2 95.231,27.869 96.84,26.26 J*1.2
AC_LINE_1_OUT: J*1.1 Q1.3 | length 8.7
  Bottom Layer w2: J*1.1 99.74,31.2 102.428,31.2 103.6,32.372 Q1.3
AC_LINE_2: J*.2 T1.5 | length 7.1
  Bottom Layer w1.524: J*.2 17.08,54.18 T1.5
GND: BR1.4 C2.2 C3.2 C4.1 C5.1 C6.1 C7.1 C8.1 C9.1 C10.1 C11.1 C12.1 C13.1 C14.1 C15.1 C16.1 C18.1 C19.1 J1.5 J2.4 J3.6 Q2.2 Q3.2 R1.1 R5.2 R8.1 R10.1 R12.2 R13.2 R14.2 R15.2 R16.2 R17.2 R18.2 R19.2 R21.2 R22.2 R23.2 R24.2 R25.2 SW1.2 SW2.2 SW3.2 SW4.2 U1.3 U1.4 U2.4 U2.6 U3.2 U4.8 U4.23 U4.35 U4.47 X1.2 X1.4 | length 49.3
  Top Layer w0.254: C9.1 61.4,29.65 61.4,28.3 62.637,27.063 64.518,27.063 65.918,25.663 65.918,22.278 65.69,22.05 U4.8 ; U4.23 71.35,17.925 71.395,17.88 71.395,17.824 71.9,17.319 C12.1 ; U4.35 74.342,25.05 75.492,26.2 75.492,26.9 77.27,26.9 J2.4
  Bottom Layer w0.254: U3.2@93.4,56.4 99.8,56.4 C6.1 ; C4.1 94.95,61.596 95.099,61.745 97.8,61.745 98.2,61.345 C5.1 100.8,60.9 101.35,60.35 101.35,57.225 101.8,56.775 C6.1 ; U1.3 U1.4 104.155,51.9 104.796,51.9 104.945,52.049 104.945,56.2 104.795,56.35 C7.1 103.55,56.4 C6.1
  other v1: 95.2,3.4 21.6,4.6 33.8,4.6 37.8,4.6 42.8,4.6 46.8,4.6 49.8,4.6 15.3,4.9 13.3,8.7 102.7,8.9 76.7,14.5 80.7,14.5 76.7,18.5 80.7,18.5 96.9,19.9 70.4,20.2 68.4,20.3 41.9,20.7 43.9,20.7 46.9,20.7 88,25.8 85.4,29 51.5,29.3 93.2,31.7 51.5,34.3 50.5,38.3 73.6,39.5 50.5,42.3 73.6,43 93.5,46.4 63.7,48.8 76.2,48.8 50.7,49.1
NetBR1_1: BR1.1 T1.9 | length 17.3
  Bottom Layer w1.524: T1.9 44.9,47 BR1.1
NetBR1_2: BR1.2 T1.7 | length 15.2
  Bottom Layer w1.524: T1.7 38,57.5 40.205,59.705 BR1.2
NetBR1_3: BR1.3 F1.1 | length 2.4
  Bottom Layer w1.5: BR1.3 55.005,59.705 F1.1
NetBZ1_2: BZ1.2 D1.2 | length 6.1
  Top Layer w0.254: D1.2 24.65,13.9 28.5,13.9 28.9,13.5 BZ1.2
NetBZ2_2: BZ2.2 Q3.3 | length 6.1
  Top Layer w0.254: Q3.3 85.877,37.9 BZ2.2
NetC1_1: C1.1 U1.5 | length 6.4
  Bottom Layer w0.254: C1.1 103.9,47.8 104.105,47.595 U1.5
NetC14_2: C14.2 U4.5 X1.3 | length 9.4
  Top Layer w0.254: C14.2 58.814,25.586 X1.3 59.744,26.3 60.9,26.3 62.7,24.5 62.7,23.7 62.85,23.55 U4.5
NetC15_2: C15.2 U4.6 X1.1 | length 10
  Top Layer w0.254: C15.2 57.156,20.6 X1.1 58.784,20.6 59.8,20.6 62.25,23.05 U4.6
NetC16_2: C16.2 R10.2 U4.7 | length 11
  Top Layer w0.254: C16.2 R10.2 57.6,19.251 57.749,19.4 59.7,19.4 62.85,22.55 U4.7
NetD1_1: D1.1 Q2.3 | length 2
  Top Layer w0.254: Q2.3 23.695,11.85 D1.1
NetD2_1: D2.1 R12.1 | length 1.7
  Top Layer w0.254: R12.1 51.124,16.316 D2.1
NetD2_2: D2.2 U4.18 | length 23
  Top Layer w0.254: D2.2 54.051,16.09 54.2,15.941 54.2,14.238 55.3,13.138 68.516,13.138 68.85,13.472 U4.18
NetD3_1: D3.1 R14.1 | length 1.9
  Top Layer w0.254: R14.1 50.824,14.708 D3.1
NetD3_2: D3.2 U4.19 | length 22.2
  Top Layer w0.254: D3.2 54.726,12.706 68.695,12.706 69.35,13.361 U4.19
NetD4_1: D4.1 R15.1 | length 2
  Top Layer w0.254: R15.1 50.526,12.274 D4.1
NetD4_2: D4.2 U4.20 | length 22.3
  Top Layer w0.254: D4.2 68.874,12.274 69.85,13.25 U4.20
NetD5_1: D5.1 R16.1 | length 1.9
  Top Layer w0.254: R16.1 64.3,39.2 D5.1
NetD5_2: D5.2 U4.43 | length 13.3
  Top Layer w0.254: D5.2 67.3,39 68.1,39 68.85,38.25 U4.43
NetD6_1: D6.1 R18.1 | length 1.7
  Top Layer w0.254: R18.1 64.9,41.2 D6.1
NetD6_2: D6.2 U4.42 | length 15.7
  Top Layer w0.254: D6.2 68.6,40.9 69.35,40.15 U4.42
NetD7_1: D7.1 R19.1 | length 1.6
  Top Layer w0.254: R19.1 63.65,42.55 D7.1
NetD7_2: D7.2 U4.41 | length 17.6
  Top Layer w0.254: D7.2 68.75,42.55 69.85,41.45 U4.41
NetD8_1: D8.1 R21.1 | length 1.7
  Top Layer w0.254: R21.1 64.856,43.8 D8.1
NetD8_2: D8.2 U4.40 | length 20
  Top Layer w0.254: D8.2 67.156,44.2 69.6,44.2 70.35,43.45 U4.40
NetD9_1: D9.1 R23.1 | length 1.6
  Top Layer w0.254: D9.1@87.65,14.39 87.74,14.3 R23.1@89.2,14.3
NetD9_2: D9.2 U4.26 | length 17.6
  Top Layer w0.254: U4.26 82.968,20.55 84.7,18.818 84.7,14.331 84.849,14.182 D9.2
NetD10_1: D10.1 R24.1 | length 1.9
  Top Layer w0.254: D10.1@87.55,16.282 87.568,16.3 R24.1@89.4,16.3
NetD10_2: D10.2 U4.27 | length 15.9
  Top Layer w0.254: U4.27 83.25,21.05 85.65,18.65 D10.2
NetJ1_2: J1.2 U4.15 | length 64.6
  Top Layer w0.254: v2(20.3,16.9) 20.751,16.9 20.911,17.06 20.911,19.54 24.207,22.836 49.364,22.836 53.432,18.768 55.351,18.768 55.5,18.619 55.5,16.2 56.8,14.9 66.151,14.9 66.8,15.549 66.8,17.104 67.305,17.609 67.305,17.935 67.327,17.957 67.327,18.527 U4.15
  Bottom Layer w0.254: J1.2 16.5,15.1 18.3,16.9 v2(20.3,16.9)
NetJ1_3: J1.3 R6.2 | length 2
  Bottom Layer w0.254: J1.3 17.04,17.64 R6.2
NetJ1_4: J1.4 R7.2 | length 2.2
  Bottom Layer w0.254: J1.4 15.82,20.9 R7.2
NetJ2_2: J2.2 U4.34 | length 8.2
  Top Layer w0.254: U4.34 75.509,24.55 75.657,24.699 75.657,25.754 75.827,25.924 78.894,25.924 J2.2
NetJ2_3: J2.3 U4.37 | length 13.8
  Top Layer w0.254: U4.37 71.85,31.85 72.9,32.9 76.8,32.9 77.3,32.4 J2.3
NetJ3_2: J3.2 U4.16 | length 38.6
  Top Layer w0.254: v2(67.5,16.9) 67.85,17.25 U4.16
  Bottom Layer w0.254: v2(67.5,16.9) 67.5,12.448 69,10.948 69.689,10.948 69.989,10.648 84.6,10.648 88.4,6.848 88.4,6.056 88.223,5.879 81.781,5.879 80.8,4.898 J3.2
NetJ3_3: J3.3 U4.17 | length 40.8
  Top Layer w0.254: v2(68.2,16.8) 68.2,16.867 68.35,17.017 U4.17
  Bottom Layer w0.254: v2(68.2,16.8) 68.2,13.048 70.148,11.1 85.1,11.1 88.9,7.3 88.9,3.249 88.751,3.1 82.449,3.1 82.3,3.249 J3.3
NetJ3_4: J3.4 U4.29 | length 62.5
  Top Layer w0.254: U4.29 103.001,22.05 103.2,21.851 103.2,12.1 97,5.9 84.6,5.9 83.8,5.1 J3.4
NetJ3_5: J3.5 R9.2
NetQ1_1: Q1.1 R2.2 R3.2 | length 1.6
  Bottom Layer w0.254: R2.2 R3.2
NetQ2_1: Q2.1 R11.2 | length 1.9
  Top Layer w0.254: R11.2 19.15,13.65 Q2.1
NetQ3_1: Q3.1 R20.2 | length 1.5
  Top Layer w0.254: R20.2 76.95,38.85 Q3.1
NetR1_2: R1.2 U4.44 | length 4.5
  Top Layer w0.254: R1.2 67.9,30.9 68.35,30.45 U4.44
NetR2_1: R2.1 U1.7 | length 1.8
  Bottom Layer w0.254: U1.7 101.565,44.835 R2.1
NetR3_1: R3.1 U1.6 | length 1.9
  Bottom Layer w0.254: U1.6 102.835,45.165 R3.1
NetR4_2: R4.2 R5.1 U2.2 | length 4.3
  Bottom Layer w0.254: U2.2 90.815,58.535 R4.2 91.4,56.6 R5.1
NetR6_1: R6.1 U4.14 | length 59
  Top Layer w0.254: v2(20.3,17.7) 20.3,19.689 23.879,23.268 49.543,23.268 53.611,19.2 55.7,19.2 55.968,18.932 55.968,16.343 56.911,15.4 65.9,15.4 66.3,15.8 66.3,17.215 66.805,17.72 66.805,17.935 66.827,17.957 66.827,18.527 U4.14
  Bottom Layer w0.254: R6.1 v2(20.3,17.7)
NetR7_1: R7.1 U4.12 | length 58.4
  Top Layer w0.254: v2(19.3,19.3) 23.7,23.7 49.722,23.7 53.79,19.632 55.968,19.632 56.4,19.2 56.4,16.522 57.09,15.832 64.332,15.832 64.85,16.35 U4.12
  Bottom Layer w0.254: R7.1 v2(19.3,19.3)
NetR9_1: R9.1 U4.13 | length 28
  Top Layer w0.254: v2(65.8,17.5) 65.8,18.401 65.949,18.55 U4.13
  Bottom Layer w0.254: v2(65.8,17.5) 65.8,11.2 66.97,10.03 81.57,10.03 83.7,7.9 R9.1
NetR11_1: R11.1 U4.22 | length 66.6
  Top Layer w0.254: R11.1 19.1,7.3 19.9,6.5 61.1,6.5 62.2,7.6 62.2,10.3 63.3,11.4 69.222,11.4 70.85,13.028 U4.22
NetR13_1: R13.1 SW1.4 | length 4.1
  Top Layer w0.254: R13.1 43.7,10.3 SW1.4
NetR17_1: R17.1 SW2.4 | length 1.8
  Top Layer w0.254: SW2.4@99.6,11.8 99.7,11.7 R17.1@99.7,10
NetR20_1: R20.1 U4.33 | length 27.6
  Top Layer w0.254: U4.33 81.75,24.05 83.5,25.8 83.5,33.7 81.8,35.4 77.2,35.4 76.8,35.8 R20.1
NetR22_1: R22.1 SW3.4 | length 1.9
  Top Layer w0.254: R22.1 59.2,39.146 SW3.4
NetR25_1: R25.1 SW4.4 | length 3.5
  Top Layer w0.254: SW4.4 69.3,4.4 69.6,4.7 R25.1
NetSW1_3: SW1.3 U4.21 | length 39.9
  Top Layer w0.254: SW1.3 38.823,11.923 38.823,12.674 39.449,13.3 46.1,13.3 48.458,10.942 54,10.942 54.9,11.842 69.053,11.842 70.35,13.139 U4.21
NetSW2_3: SW2.3 U4.28 | length 32.1
  Top Layer w0.254: U4.28 93.95,21.55 94.7,20.8 94.7,12.049 94.551,11.9 SW2.3
NetSW3_3: SW3.3 U4.39 | length 42.3
  Top Layer w0.254: SW3.3 54.051,39.3 54.2,39.449 54.2,45.5 54.5,45.8 69.7,45.8 70.85,44.65 U4.39
NetSW4_3: SW4.3 U4.25 | length 27.5
  Top Layer w0.254: SW4.3 62.1,4.4 62.632,4.932 62.632,10.032 63.5,10.9 69.6,10.9 71.3,12.6 71.3,15.151 71.449,15.3 73.4,15.3 74.4,16.3 74.4,19.8 74.15,20.05 U4.25
NetU1_1: U1.1 U4.30 | length 54.4
  Top Layer w0.254: U4.30 89.85,22.55 91.3,24 91.3,50 93.3,52 v2(97.8,52)
  Bottom Layer w0.254: v2(97.8,52) 100.245,52 U1.1
pads on no net: U2.3 U2.7 U4.1 U4.2 U4.3 U4.4 U4.10 U4.11 U4.31 U4.32 U4.38 U4.45 U4.46
copper on no net:
  other v3: 7.3,4.1 103.3,4.1 7.3,60.1 103.3,60.1

## Polygon pours and split planes (outlines as drawn)
GND on Bottom Layer "NONET_L-01_P-001" (solid, pour order 7): 7.4,25.1 7.4,9.9 15.1,2.2 99.1,2.2 105.1,8.2 105.1,57.4 103.712,58.788 101.35,58.788 101.35,60.85 100.2,62 52.9,62 48.7,57.8 48.7,30.3 44.4,26 8.3,26
3V3DC on Bottom Layer "NONET_L-01_P-001" (solid, pour order 4): 99.1,55.3 98.4,54.6 98.4,53.5 98.8,53.1 104.2,53.1 104.4,53.3 104.4,55.2 104.3,55.3 103.8,55.3
5VDC on Bottom Layer "NONET_L-01_P-001" (solid, pour order 3): 87.5,59.3 87.7,59.1 94.4,59.1 95.8,57.7 100.6,57.7 100.6,60.2 97.6,60.2 97.4,60.4 97.4,61.4 95.8,61.4 95.8,60 95.5,59.7 95.4,59.8 93.9,59.8 93.9,61.3 93.5,61.7 88.6,61.7 87.5,60.6
12VDC on Bottom Layer "Bottom Layer-12VDC" (solid, pour order 2): 74.2,55.1 75.6,55.1 81.6,55.1 81.6,56.1 81,56.7 75.4,56.7 77.7,59 81.4,59 81.4,60.5 58.991,60.5 54.1,58 53.9,57.8 53.9,56.4 54.8,55.5 74.2,55.5
GND on Top Layer "NONET_L-01_P-001" (solid, pour order 6): 7.4,25.1 7.4,9.9 15.1,2.2 99.1,2.2 105.1,8.2 105.1,57.4 103.712,58.788 101.35,58.788 101.35,60.85 100.2,62 52.9,62 49.4,58.5 49.4,31 44.4,26 8.3,26

## Keep-outs
Keep-Out Layer:
  the board outline again, w0.1

## Other copper
Top Layer:
  pour cut-out: 105.921,20.9 98.8,20.9 94.1,25.6 94.1,33.7 91.6,36.2 91.6,43.3 93.5,45.2 105.6,45.2 106.724,45.166
Bottom Layer:
  pour cut-out: 105.921,20.9 98.8,20.9 94.1,25.6 94.1,33.7 91.6,36.2 91.6,43.3 93.5,45.2 105.6,45.2 106.724,45.166
  region net NetQ1_1: 101,43.8 100.7,43.5 100.7,41.9 102.8,39.8 104.9,39.8 105,39.9 105,43.3 104.5,43.8

## Text inside footprints (layer, text, board x,y; h text height)
BR1: Bottom Overlay "~" at 45.284,59.054 h1.52 r270; Bottom Overlay "~" at 45.284,53.954 h1.52 r270
J3: Bottom Overlay "1" at 77.096,2.554 h1.52
T1: Bottom Overlay "INPUT" at 12.454,56.854 h1 r270; Bottom Overlay "OUTPUT" at 43.746,34.446 h1 r90